# Altium PCB Time4CM4_Modular.PcbDoc (part 1 of 2) (continued)
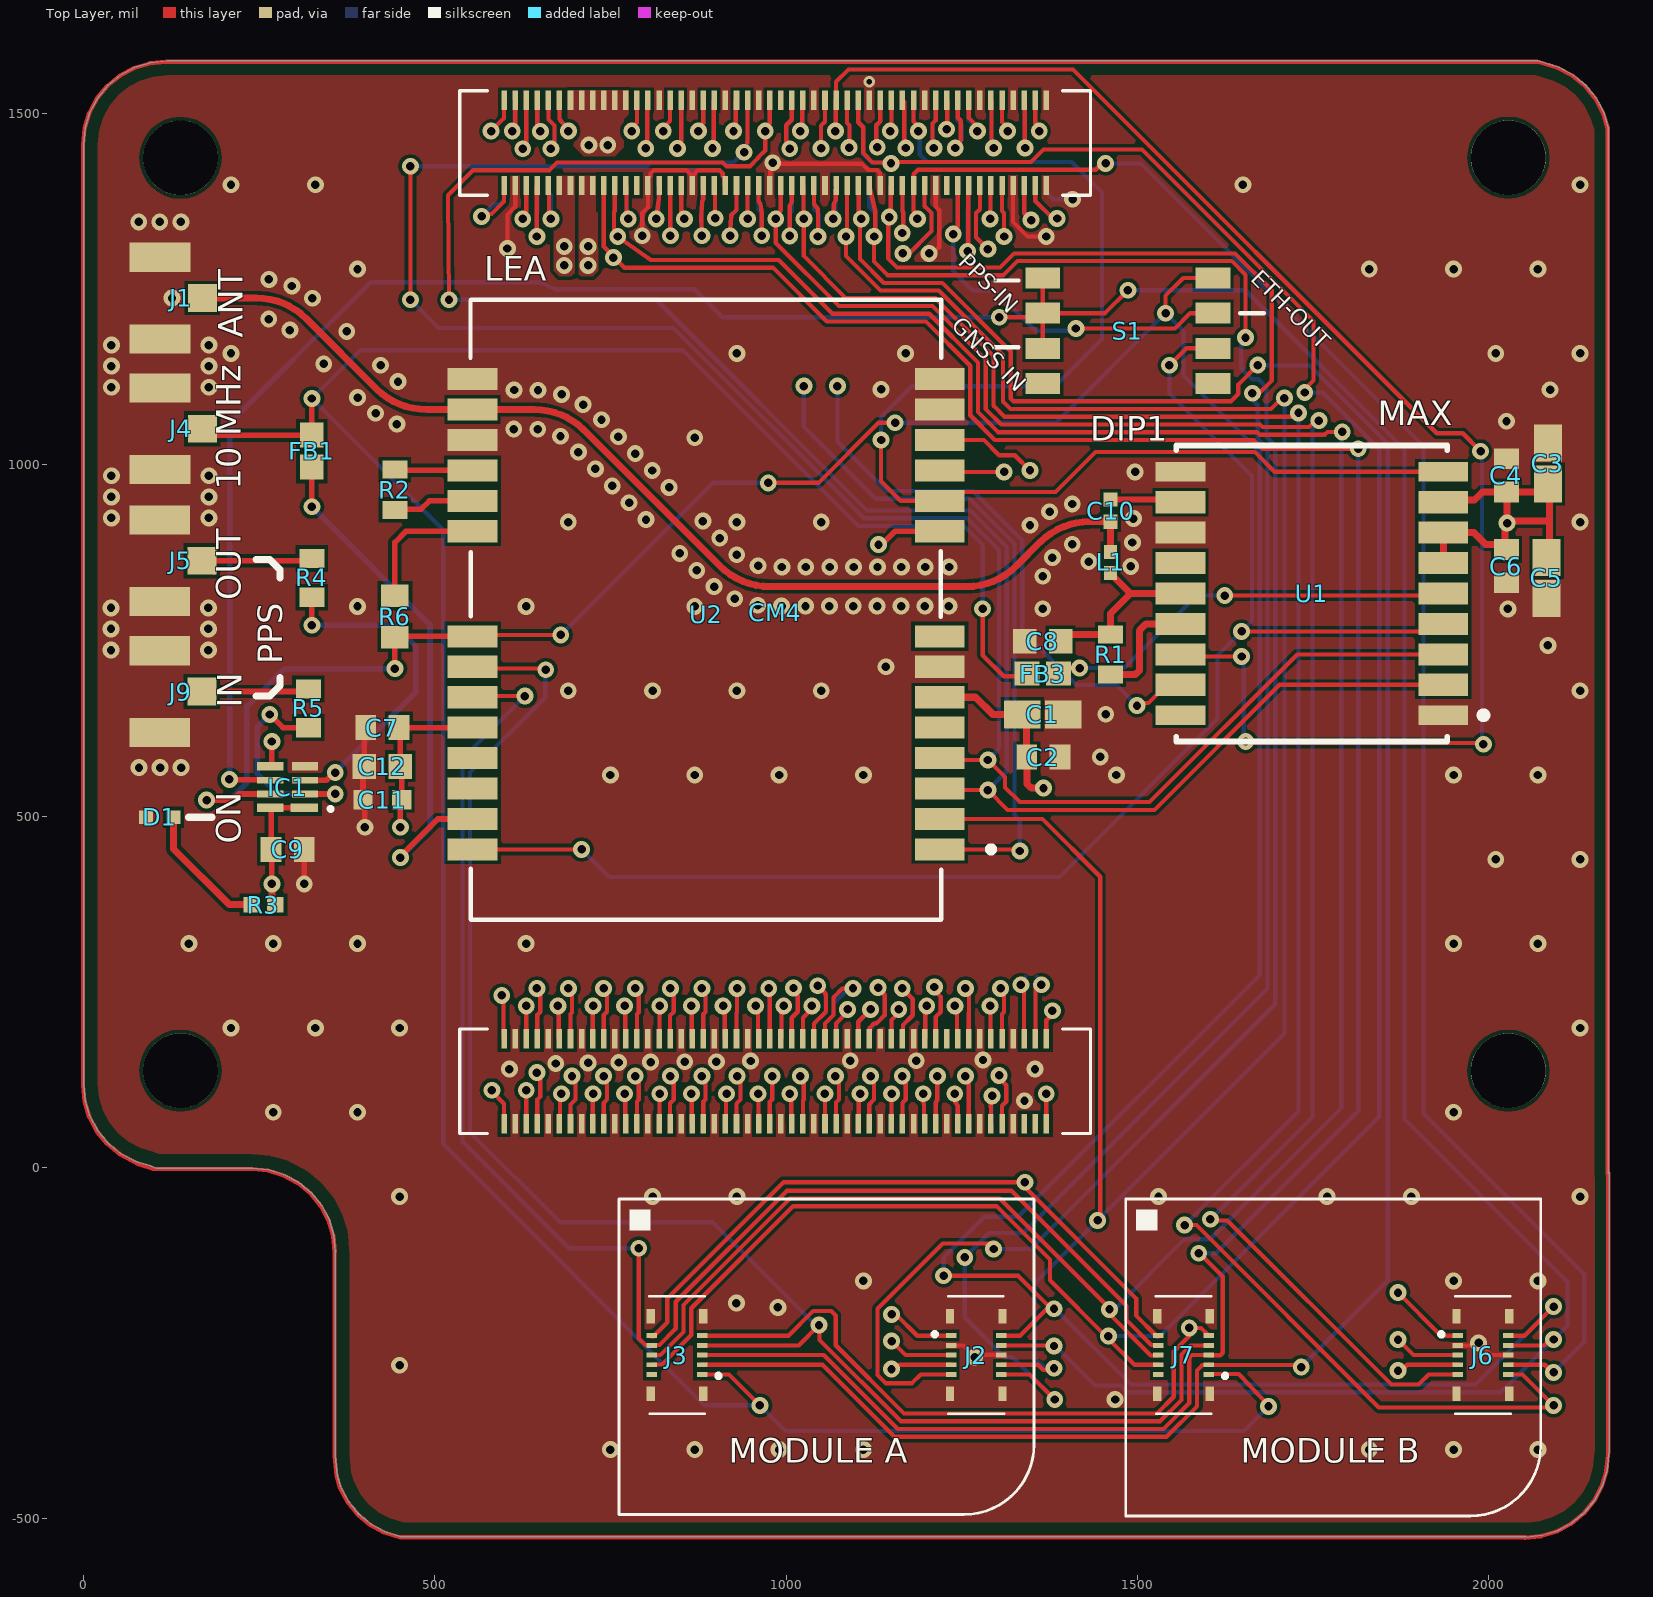
[diagram p0: Top Layer view]
## Components (designator, comment, footprint, x,y, rotation, side; value= is the part's Value field where it differs from the comment)
C1 "10uF" FP-C1608-080-0_1-IPC_A 1365,645 r0 top
C2 "100nF" FP-C0603C-CF-MFG 1366,584 r0 top value="0.10 μF"
C3 "10uF" FP-C1608-080-0_1-IPC_A 2084,1002 r90 top
C4 "100nF" FP-C0603C-CF-MFG 2025,985 r90 top value="0.10 μF"
C5 "10uF" FP-C1608-080-0_1-IPC_A 2082,839 r270 top
C6 "100nF" FP-C0603C-CF-MFG 2025,856 r270 top value="0.10 μF"
C7 "100nF" FP-C0603C-CF-MFG 425.2,625.98 r180 top value="0.10 μF"
C8 "10nF" CAPC1608X90X35LL15T15 1365,749 r0 top
C9 "100nF" FP-C0603C-CF-MFG 290.35,452.76 r0 top value="0.10 μF"
C10 "47pF" FP-C0402-BB-MFG 1461.44,935.04 r270 top value="47 pF"
C11 "10uF" FP-C1608-080-0_1-MFG 425.2,523.62 r0 top
C12 "10nF" CAPC1608X90X35LL15T15 425.2,570.86 r0 top
CM1 "Raspberry Pi Compute Module 4" CM4-F40C-100DS-0.4v_1.5mm_0mm#1 1082.68,790.35 r90 bottom locked
CM4 "Raspberry Pi Compute Module 4" CM4-F40C-100DS-0.4v_1.5mm_0mm#2 1082.68,790.55 r90 top locked
D1 "QBLP595-IB" FP-QBLP595-IB-MFG 108.27,498.5 r0 top
FB1 "BLM18HG102SH1D" FP-BLM18-0_15-t0_8-IPC_C 324.8,1019.68 r270 top
FB3 "BLM18HG102SH1D" FP-BLM18-0_15-t0_8-IPC_C 1365,703 r0 top
IC1 "74LVC2G08GT,115" 74AVC9112GTX 290.35,541.34 r90 top
J1 "U.FL-R-SMT-1(10)" FP-U_FL-R-SMT-1_10-MFG 108.84,1237.45 r270 top
J2 "BM23FR0.6-10DS-0.35V(895)" BM23FR0810DS035V895 1270.38,-266.94 r270 top
J3 "BM23FR0.6-10DS-0.35V(895)" BM23FR0810DS035V895 844.39,-266.94 r90 top
J4 "U.FL-R-SMT-1(10)" FP-U_FL-R-SMT-1_10-MFG 108.84,1051.43 r270 top
J5 "U.FL-R-SMT-1(10)" FP-U_FL-R-SMT-1_10-MFG 108.27,863.44 r270 top
J6 "BM23FR0.6-10DS-0.35V(895)" BM23FR0810DS035V895 1991.41,-266.94 r270 top
J7 "BM23FR0.6-10DS-0.35V(895)" BM23FR0810DS035V895 1565.43,-266.94 r90 top
J9 "U.FL-R-SMT-1(10)" FP-U_FL-R-SMT-1_10-MFG 108.27,677.41 r270 top
L1 "27nH" FP-LQG15HH_02-IPC_C 1461.44,861.09 r90 top
R1 "DNP" FP-ERJ3EK-MFG 1461.44,730.1 r270 top value=10Ω
R2 "10R" FP-ERJ3EK-MFG 442.91,964.57 r270 top value=10Ω
R3 "10R" RESC1005X40X25NL05T10 255.91,374.02 r180 top
R4 "49.9R" RESC1608X55X25NL10T15 324.8,839.21 r270 top
R5 "49.9R" RESC1608X55X25NL10T15 319.88,653.54 r270 top
R6 "0R" RESC1608X55X25ML10T15 442.91,784.26 r90 top
S1 "DHN-04-V-T_R" DHN04VTR 1486.22,1190.94 r90 top
U1 "MAX-M" FP-MAX-M8W-0-MFG 1748.07,816.93 r180 top
U2 "LEA-M8" LEA 885.83,787.4 r0 top locked

## Footprints (in the part's own frame and the unit in brackets; to place one, negate y for a bottom-side part, rotate by r counter-clockwise, add the part's x,y. Pads: shape width x height; smd on the part's side, far side on the other; paste and mask are expansions set on the pad)
74AVC9112GTX [mm]
  rect 0.3x1 smd: 1(-0.75,-0.6)
  rect 0.25x0.95 smd: 2(-0.25,-0.625) 3(0.25,-0.625) 6(0.25,0.625) 7(-0.25,0.625)
  rect 0.3x0.95 smd: 4(0.75,-0.625) 5(0.75,0.625) 8(-0.75,0.625)
  silkscreen extent -0.8,-1.57 -0.77,-1.54, body extent -0.97,-0.59 0.98,0.41, height 0.48
BM23FR0810DS035V895 [mm]
  rect 0.18x0.38 smd: 1(-0.7,-0.91) 2(-0.7,0.91) 3(-0.35,-0.91) 4(-0.35,0.91) 5(0,-0.91) 6(0,0.91) 7(0.35,-0.91) 8(0.35,0.91) 9(0.7,-0.91) 10(0.7,0.91)
  rect 0.52x0.3 smd: MP1(-1.405,-0.95) MP2(1.405,-0.95) MP3(1.405,0.95) MP4(-1.405,0.95)
  silkscreen extent -2.12,-1.55 2.12,1, body extent -2.12,-0.99 2.13,0.99, height 0.79
CAPC1608X90X35LL15T15 [mm] "Chip Capacitor, 2-Leads, Body 1.60x0.81mm, IPC High Density"
  rect 0.85x0.9 smd: 1(-0.65,0) 2(0.65,0)
  body extent -0.88,-0.48 0.87,0.48, height 0.9
CM4-F40C-100DS-0.4v_1.5mm_0mm#1 [mm] "DF40C-100DS-0.4v by Amornthep Phunsin"
  rect 0.7x0.2 smd: 1(18.5,7.3) 2(15.42,7.3) 3(18.5,6.9) 4(15.42,6.9) 5(18.5,6.5) 6(15.42,6.5) 7(18.5,6.1) 8(15.42,6.1) 9(18.5,5.7) 10(15.42,5.7) 11(18.5,5.3) 12(15.42,5.3) 13(18.5,4.9) 14(15.42,4.9) 15(18.5,4.5) 16(15.42,4.5) 17(18.5,4.1) 18(15.42,4.1) 19(18.5,3.7) 20(15.42,3.7) 21(18.5,3.3) 22(15.42,3.3) 23(18.5,2.9) 24(15.42,2.9) 25(18.5,2.5) 26(15.42,2.5) 27(18.5,2.1) 28(15.42,2.1) 29(18.5,1.7) 30(15.42,1.7) 31(18.5,1.3) 32(15.42,1.3) 33(18.5,0.9) 34(15.42,0.9) 35(18.5,0.5) 36(15.42,0.5) 37(18.5,0.1) 38(15.42,0.1) 39(18.5,-0.3) 40(15.42,-0.3) 41(18.5,-0.7) 42(15.42,-0.7) 43(18.5,-1.1) 44(15.42,-1.1) 45(18.5,-1.5) 46(15.42,-1.5) 47(18.5,-1.9) 48(15.42,-1.9) 49(18.5,-2.3) 50(15.42,-2.3) 51(18.5,-2.7) 52(15.42,-2.7) 53(18.5,-3.1) 54(15.42,-3.1) 55(18.5,-3.5) 56(15.42,-3.5) 57(18.5,-3.9) 58(15.42,-3.9) 59(18.5,-4.3) 60(15.42,-4.3) 61(18.5,-4.7) 62(15.42,-4.7) 63(18.5,-5.1) 64(15.42,-5.1) 65(18.5,-5.5) 66(15.42,-5.5) 67(18.5,-5.9) 68(15.42,-5.9) 69(18.5,-6.3) 70(15.42,-6.3) 71(18.5,-6.7) 72(15.42,-6.7) 73(18.5,-7.1) 74(15.42,-7.1) 75(18.5,-7.5) 76(15.42,-7.5) 77(18.5,-7.9) 78(15.42,-7.9) 79(18.5,-8.3) 80(15.42,-8.3) 81(18.5,-8.7) 82(15.42,-8.7) 83(18.5,-9.1) 84(15.42,-9.1) 85(18.5,-9.5) 86(15.42,-9.5) 87(18.5,-9.9) 88(15.42,-9.9) 89(18.5,-10.3) 90(15.42,-10.3) 91(18.5,-10.7) 92(15.42,-10.7) 93(18.5,-11.1) 94(15.42,-11.1) 95(18.5,-11.5) 96(15.42,-11.5) 97(18.5,-11.9) 98(15.42,-11.9) 99(18.5,-12.3) 100(15.42,-12.3) 101(-15.42,7.3) 102(-18.5,7.3) 103(-15.42,6.9) 104(-18.5,6.9) 105(-15.42,6.5) 106(-18.5,6.5) 107(-15.42,6.1) 108(-18.5,6.1) 109(-15.42,5.7) 110(-18.5,5.7) 111(-15.42,5.3) 112(-18.5,5.3) 113(-15.42,4.9) 114(-18.5,4.9) 115(-15.42,4.5) 116(-18.5,4.5) 117(-15.42,4.1) 118(-18.5,4.1) 119(-15.42,3.7) 120(-18.5,3.7) 121(-15.42,3.3) 122(-18.5,3.3) 123(-15.42,2.9) 124(-18.5,2.9) 125(-15.42,2.5) 126(-18.5,2.5) 127(-15.42,2.1) 128(-18.5,2.1) 129(-15.42,1.7) 130(-18.5,1.7) 131(-15.42,1.3) 132(-18.5,1.3) 133(-15.42,0.9) 134(-18.5,0.9) 135(-15.42,0.5) 136(-18.5,0.5) 137(-15.42,0.1) 138(-18.5,0.1) 139(-15.42,-0.3) 140(-18.5,-0.3) 141(-15.42,-0.7) 142(-18.5,-0.7) 143(-15.42,-1.1) 144(-18.5,-1.1) 145(-15.42,-1.5) 146(-18.5,-1.5) 147(-15.42,-1.9) 148(-18.5,-1.9) 149(-15.42,-2.3) 150(-18.5,-2.3) 151(-15.42,-2.7) 152(-18.5,-2.7) 153(-15.42,-3.1) 154(-18.5,-3.1) 155(-15.42,-3.5) 156(-18.5,-3.5) 157(-15.42,-3.9) 158(-18.5,-3.9) 159(-15.42,-4.3) 160(-18.5,-4.3) 161(-15.42,-4.7) 162(-18.5,-4.7) 163(-15.42,-5.1) 164(-18.5,-5.1) 165(-15.42,-5.5) 166(-18.5,-5.5) 167(-15.42,-5.9) 168(-18.5,-5.9) 169(-15.42,-6.3) 170(-18.5,-6.3) 171(-15.42,-6.7) 172(-18.5,-6.7) 173(-15.42,-7.1) 174(-18.5,-7.1) 175(-15.42,-7.5) 176(-18.5,-7.5) 177(-15.42,-7.9) 178(-18.5,-7.9) 179(-15.42,-8.3) 180(-18.5,-8.3) 181(-15.42,-8.7) 182(-18.5,-8.7) 183(-15.42,-9.1) 184(-18.5,-9.1) 185(-15.42,-9.5) 186(-18.5,-9.5) 187(-15.42,-9.9) 188(-18.5,-9.9) 189(-15.42,-10.3) 190(-18.5,-10.3) 191(-15.42,-10.7) 192(-18.5,-10.7) 193(-15.42,-11.1) 194(-18.5,-11.1) 195(-15.42,-11.5) 196(-18.5,-11.5) 197(-15.42,-11.9) 198(-18.5,-11.9) 199(-15.42,-12.3) 200(-18.5,-12.3)
  silkscreen extent -18.85,-24.86 18.85,27.5
CM4-F40C-100DS-0.4v_1.5mm_0mm#2 [mm] "DF40C-100DS-0.4v by Amornthep Phunsin"
  rect 0.7x0.2 smd: 1(18.5,-7.3) 2(15.42,-7.3) 3(18.5,-6.9) 4(15.42,-6.9) 5(18.5,-6.5) 6(15.42,-6.5) 7(18.5,-6.1) 8(15.42,-6.1) 9(18.5,-5.7) 10(15.42,-5.7) 11(18.5,-5.3) 12(15.42,-5.3) 13(18.5,-4.9) 14(15.42,-4.9) 15(18.5,-4.5) 16(15.42,-4.5) 17(18.5,-4.1) 18(15.42,-4.1) 19(18.5,-3.7) 20(15.42,-3.7) 21(18.5,-3.3) 22(15.42,-3.3) 23(18.5,-2.9) 24(15.42,-2.9) 25(18.5,-2.5) 26(15.42,-2.5) 27(18.5,-2.1) 28(15.42,-2.1) 29(18.5,-1.7) 30(15.42,-1.7) 31(18.5,-1.3) 32(15.42,-1.3) 33(18.5,-0.9) 34(15.42,-0.9) 35(18.5,-0.5) 36(15.42,-0.5) 37(18.5,-0.1) 38(15.42,-0.1) 39(18.5,0.3) 40(15.42,0.3) 41(18.5,0.7) 42(15.42,0.7) 43(18.5,1.1) 44(15.42,1.1) 45(18.5,1.5) 46(15.42,1.5) 47(18.5,1.9) 48(15.42,1.9) 49(18.5,2.3) 50(15.42,2.3) 51(18.5,2.7) 52(15.42,2.7) 53(18.5,3.1) 54(15.42,3.1) 55(18.5,3.5) 56(15.42,3.5) 57(18.5,3.9) 58(15.42,3.9) 59(18.5,4.3) 60(15.42,4.3) 61(18.5,4.7) 62(15.42,4.7) 63(18.5,5.1) 64(15.42,5.1) 65(18.5,5.5) 66(15.42,5.5) 67(18.5,5.9) 68(15.42,5.9) 69(18.5,6.3) 70(15.42,6.3) 71(18.5,6.7) 72(15.42,6.7) 73(18.5,7.1) 74(15.42,7.1) 75(18.5,7.5) 76(15.42,7.5) 77(18.5,7.9) 78(15.42,7.9) 79(18.5,8.3) 80(15.42,8.3) 81(18.5,8.7) 82(15.42,8.7) 83(18.5,9.1) 84(15.42,9.1) 85(18.5,9.5) 86(15.42,9.5) 87(18.5,9.9) 88(15.42,9.9) 89(18.5,10.3) 90(15.42,10.3) 91(18.5,10.7) 92(15.42,10.7) 93(18.5,11.1) 94(15.42,11.1) 95(18.5,11.5) 96(15.42,11.5) 97(18.5,11.9) 98(15.42,11.9) 99(18.5,12.3) 100(15.42,12.3) 101(-15.42,-7.3) 102(-18.5,-7.3) 103(-15.42,-6.9) 104(-18.5,-6.9) 105(-15.42,-6.5) 106(-18.5,-6.5) 107(-15.42,-6.1) 108(-18.5,-6.1) 109(-15.42,-5.7) 110(-18.5,-5.7) 111(-15.42,-5.3) 112(-18.5,-5.3) 113(-15.42,-4.9) 114(-18.5,-4.9) 115(-15.42,-4.5) 116(-18.5,-4.5) 117(-15.42,-4.1) 118(-18.5,-4.1) 119(-15.42,-3.7) 120(-18.5,-3.7) 121(-15.42,-3.3) 122(-18.5,-3.3) 123(-15.42,-2.9) 124(-18.5,-2.9) 125(-15.42,-2.5) 126(-18.5,-2.5) 127(-15.42,-2.1) 128(-18.5,-2.1) 129(-15.42,-1.7) 130(-18.5,-1.7) 131(-15.42,-1.3) 132(-18.5,-1.3) 133(-15.42,-0.9) 134(-18.5,-0.9) 135(-15.42,-0.5) 136(-18.5,-0.5) 137(-15.42,-0.1) 138(-18.5,-0.1) 139(-15.42,0.3) 140(-18.5,0.3) 141(-15.42,0.7) 142(-18.5,0.7) 143(-15.42,1.1) 144(-18.5,1.1) 145(-15.42,1.5) 146(-18.5,1.5) 147(-15.42,1.9) 148(-18.5,1.9) 149(-15.42,2.3) 150(-18.5,2.3) 151(-15.42,2.7) 152(-18.5,2.7) 153(-15.42,3.1) 154(-18.5,3.1) 155(-15.42,3.5) 156(-18.5,3.5) 157(-15.42,3.9) 158(-18.5,3.9) 159(-15.42,4.3) 160(-18.5,4.3) 161(-15.42,4.7) 162(-18.5,4.7) 163(-15.42,5.1) 164(-18.5,5.1) 165(-15.42,5.5) 166(-18.5,5.5) 167(-15.42,5.9) 168(-18.5,5.9) 169(-15.42,6.3) 170(-18.5,6.3) 171(-15.42,6.7) 172(-18.5,6.7) 173(-15.42,7.1) 174(-18.5,7.1) 175(-15.42,7.5) 176(-18.5,7.5) 177(-15.42,7.9) 178(-18.5,7.9) 179(-15.42,8.3) 180(-18.5,8.3) 181(-15.42,8.7) 182(-18.5,8.7) 183(-15.42,9.1) 184(-18.5,9.1) 185(-15.42,9.5) 186(-18.5,9.5) 187(-15.42,9.9) 188(-18.5,9.9) 189(-15.42,10.3) 190(-18.5,10.3) 191(-15.42,10.7) 192(-18.5,10.7) 193(-15.42,11.1) 194(-18.5,11.1) 195(-15.42,11.5) 196(-18.5,11.5) 197(-15.42,11.9) 198(-18.5,11.9) 199(-15.42,12.3) 200(-18.5,12.3)
  silkscreen extent -18.85,-8.9 18.85,13.9, body extent -18.67,-8.8 18.66,13.8, height 2.87
DHN04VTR [mm]
  rect 0.76x1.25 smd: A1(-1.905,-3.075) A2(-0.635,-3.075) A3(0.635,-3.075) A4(1.905,-3.075) B1(-1.905,3.075) B2(-0.635,3.075) B3(0.635,3.075) B4(1.905,3.075)
FP-BLM18-0_15-t0_8-IPC_C [mil]
  rect 35.67x33.79 smd paste+0 mask+0: 1(-22.68,0) 2(22.68,0)
  body extent -44,-23 44,23, height 10
FP-C0402-BB-MFG [mm]
  rect 0.52x0.52 smd paste+0 mask+0: 1(-0.4,0) 2(0.4,0)
  body extent -0.8,-0.4 0.8,0.4, height 0.25
FP-C0603C-CF-MFG [mm]
  rect 0.75x0.9 smd paste+0 mask+0: 1(-0.6,0) 2(0.6,0)
  body extent -1.2,-0.6 1.2,0.6, height 0.25
FP-C1608-080-0_1-IPC_A [mil]
  rect 52.4x39.85 smd paste+0 mask+0: 1(-29.15,0) 2(29.15,0)
  body extent -75,-40 75,40, height 10
FP-C1608-080-0_1-MFG [mm]
  rect 0.7x0.7 smd paste+0 mask+0: 1(-0.7,0) 2(0.7,0)
  body extent -1.15,-0.55 1.15,0.55, height 0.25
FP-ERJ3EK-MFG [mm]
  rect 0.65x0.9 smd paste+0 mask+0: 1(-0.725,0) 2(0.725,0)
  body extent -1.15,-0.58 1.15,0.58, height 0.25
FP-LQG15HH_02-IPC_C [mil]
  rect 20.29x18.6 smd paste+0 mask+0: 1(-14.9,0) 2(14.9,0)
  body extent -29,-15 29,15, height 10
FP-MAX-M8W-0-MFG [mm]
  rect 1.8x0.7 smd paste-1000 mask+0: 1(-4.75,4.4) 9(-4.75,-4.4) 10(4.75,-4.4) 18(4.75,4.4)
  rect 1.8x0.8 smd paste-1000 mask+0: 2(-4.75,3.3) 3(-4.75,2.2) 4(-4.75,1.1) 5(-4.75,0) 6(-4.75,-1.1) 7(-4.75,-2.2) 8(-4.75,-3.3) 11(4.75,-3.3) 12(4.75,-2.2) 13(4.75,-1.1) 14(4.75,0) 15(4.75,1.1) 16(4.75,2.2) 17(4.75,3.3)
  silkscreen extent -6.33,-5.35 4.9,5.35, body extent -5.75,-5.45 5.75,5.45, height 0.25
FP-QBLP595-IB-MFG [mm]
  rect 0.5x0.5 smd paste+0 mask+0: 1(-0.5,0) 2(0.5,0)
  body extent -0.85,-0.4 0.85,0.4, height 0.25
FP-U_FL-R-SMT-1_10-MFG [mm]
  rect 1x1.05 smd paste-1000 mask+0: 1(0,1.525)
  rect 1.05x2.2 smd paste-1000 mask+0: 2(-1.475,0) 3(1.475,0)
  body extent -2.1,-1.48 2.1,2.15, height 0.25
LEA [mm] "u-blox LEA GNSS module"
  rect 1.8x0.8 smd paste-4: 1(8.445,-8.5)
  rect 1.8x0.8 smd paste-0.4 mask+0.102: 2(8.445,-7.4) 3(8.445,-6.3) 4(8.445,-5.2) 5(8.445,-4.1) 6(8.445,-3) 7(8.445,-1.9) 8(8.445,-0.8) 9(8.445,3) 10(8.445,4.1) 11(8.445,5.2) 12(8.445,6.3) 13(8.445,7.4) 14(8.445,8.5) 16(-8.446,7.4) 17(-8.446,6.3) 18(-8.446,5.2) 19(-8.446,4.1) 20(-8.446,3) 21(-8.446,-0.8) 22(-8.446,-1.9) 23(-8.446,-3) 24(-8.446,-4.1) 25(-8.446,-5.2) 26(-8.446,-6.3) 27(-8.446,-7.4) 28(-8.446,-8.5)
  rect 1.8x0.8 smd paste-0.4: 15(-8.446,8.5)
  silkscreen extent -8.51,-11.04 10.33,11.36, body extent -8.5,-11.01 8.5,11.39, height 2.35
RESC1005X40X25NL05T10 [mm] "Chip Resistor, 2-Leads, Body 1.00x0.50mm, IPC Medium Density"
  rect 0.6x0.55 smd: 1(-0.425,0) 2(0.425,0)
  body extent -0.53,-0.27 0.53,0.28, height 0.4
RESC1608X55X25ML10T15 [mm] "Chip Resistor, 2-Leads, Body 1.60x0.80mm, IPC Low Density"
  rect 0.8x1 smd: 1(-0.75,0) 2(0.75,0)
  body extent -0.85,-0.45 0.85,0.45, height 0.55
RESC1608X55X25NL10T15 [mm] "Chip Resistor, 2-Leads, Body 1.70x0.90mm, IPC Medium Density"
  rect 0.7x0.9 smd: 1(-0.7,0) 2(0.7,0)
  body extent -0.85,-0.45 0.85,0.45, height 0.55

## Part data
C1 C3 C5 C11: library part CMP-2000-04979-3, "Multilayer Ceramic Capacitors 10μF ±10% 10V X5R SMD 0603", Case Code (Imperial)=0603, Case Code (Metric)=1608, Dielectric=X5R, Dielectric Material=Ceramic, Max Operating Temperature=85°C, Min Operating Temperature=-55°C, Package Quantity=1, Tolerance=10%, Voltage=10V, Capacitance=10uF, Case/Package=0603, Construction=Flat, Depth=0.8mm, Height=0.8mm, Lead Free="Lead Free", Length=1.6mm, Mount="Surface Mount", Number of Pins=2, Packaging="Tape and Reel", Radiation Hardening=No, REACH SVHC="No SVHC", Resistor Type=Ceramic, RoHS Compliant=Yes, Series=C, Termination=SMD/SMT, Thickness=0.035inch, Voltage Rating=10V, Voltage Rating (DC)=10V, Weight=7.1E-05oz, Width=0.8mm
C2 C4 C6 C7 C9: library part CMP-2006-03068-2, "CAP CER 0.1UF 50V 20% X7R 0603", Capacitance="0.10 μF", Manufacturer=KEMET, Manufacturer Part Number=C0603C104M5RACTU, Package=C0603C-CF, Temperature="-55°C to +125°C", Temperature Characteristic=X7R, Temperature Coefficient=30ppm/°C, Temperature Range High=+125°C, Temperature Range Low=-55°C, Tolerance=0.2, Voltage Rating="50 V", Automotive=Yes, Automotive Grade="Grade 1", Category=Cap, ComponentLink2Description=Datasheet, ComponentLink2URL=https://api.kemet.com/component-edge/download/datasheet/C0603C100J5GACAUTO.pdf, Device Class L1="Passive Components", Device Class L2=Capacitors, Device Class L3="Ceramic Capacitors", Digikey Description="CAP CER 0.1UF 50V 20% X7R 0603", Height=0.87mm, Lead Free=Yes, Material=Ceramic, Mouser Description="Multilayer Ceramic Capacitors MLCC - SMD/SMT 50volts 0.1uF X7R 20%", Octopart=https://octopart.com/c0603c104m5ractu-kemet-11855687, RoHS=TRUE
C8: library part CMP-2006-02059-1, "Multilayer Ceramic Capacitor, 0.01 uF, 16 V, ± 10%, X7R, 0603 [1608 Metric]", Case Code (Imperial)=0603, Case Code (Metric)=1608, Dielectric=X7R, Manufacturer="AVX Interconnect / Elco", Manufacturer Part Number=0603YC103KAT2A, Max Operating Temperature=125°C, Min Operating Temperature=-55°C, Package Quantity=1, Tolerance=10%, Voltage=16V, Capacitance=10nF, Case/Package=0603, Category="Ceramic Capacitors", ComponentLink1Description=https://datasheet.ciiva.com/150/cx7r-150743.pdf?src-supplier=Digi-Key, ComponentLink1URL=https://datasheet.ciiva.com/150/cx7r-150743.pdf?src-supplier=Digi-Key, ComponentLink2Description=https://datasheet.ciiva.com/150/cx7r-150744.pdf?src-supplier=Digi-Key, ComponentLink2URL=https://datasheet.ciiva.com/150/cx7r-150744.pdf?src-supplier=Digi-Key, ComponentLink3Description=https://datasheet.ciiva.com/150/cx7r-150745.pdf?src-supplier=Digi-Key, ComponentLink3URL=https://datasheet.ciiva.com/150/cx7r-150745.pdf?src-supplier=Digi-Key, ComponentLink4Description=https://datasheet.ciiva.com/5412/cx7r-218113-5412060.pdf?src-supplier=Mouser, ComponentLink4URL=https://datasheet.ciiva.com/5412/cx7r-218113-5412060.pdf?src-supplier=Mouser, ComponentLink5Description=https://datasheet.ciiva.com/16375/cx7r-16375919.pdf?src-supplier=Future+Electronics, ComponentLink5URL=https://datasheet.ciiva.com/16375/cx7r-16375919.pdf?src-supplier=Future+Electronics, ComponentLink6Description=https://datasheet.ciiva.com/7855/1679506-7855103.pdf?src-supplier=Element14, ComponentLink6URL=https://datasheet.ciiva.com/7855/1679506-7855103.pdf?src-supplier=Element14, ComponentLink7Description=https://datasheet.ciiva.com/22683/1679506-22683367.pdf?src-supplier=Element14, ComponentLink7URL=https://datasheet.ciiva.com/22683/1679506-22683367.pdf?src-supplier=Element14, ComponentLink8Description=https://datasheet.ciiva.com/22699/1679506-22699610.pdf?src-supplier=Element14, ComponentLink8URL=https://datasheet.ciiva.com/22699/1679506-22699610.pdf?src-supplier=Element14, Construction=Flat, Depth=0.81mm, Dissipation Factor=3.5%, Lead Free="Lead Free", Length=1.6mm, Mount="Surface Mount", Packaging="Tape and Reel", Part Number=0603YC103KAT2A, Pricing 1="4000=0.02200, 8000=0.02060, 12000=0.01980, 20000=0.01970, 24000=0.01700, 100000=0.01460 (USD)", Radiation Hardening=No, REACH SVHC="No SVHC", RoHS=Yes, RoHS Compliant=Yes, Series=-, Stock 1=910956, Supplier 1="Arrow Electronics", Supplier Part Number 1=0603YC103KAT2A, Termination=SMD/SMT, Thickness=0.035inch, Voltage Rating=16V, Voltage Rating (DC)=16V, Width=0.032inch
C10: library part CMP-2008-03364-2, "CAP CER 47PF 25V 5% NP0 0402", Capacitance="47 pF", Manufacturer=Kemet, Manufacturer Part Number=C0402C470J3GACTU, Package=C0402-BB, Temperature="-55°C to +125°C", Temperature Characteristic=C0G, Temperature Coefficient=15%, Temperature Range High=+125°C, Temperature Range Low=-55°C, Tolerance=0.05, Voltage Rating="25 V", Automotive=No, Category=Cap, ComponentLink2Description=Datasheet, ComponentLink2URL=https://content.kemet.com/datasheets/KEM_C1002_X7R_SMD.pdf, Device Class L1="Passive Components", Device Class L2=Capacitors, Device Class L3="Ceramic Capacitors", Digikey Description="CAP CER 47PF 25V 5% NP0 0402", Height=0.55mm, Ipc Land Pattern Name=CAPC10050X50, Lead Free=Yes, Material=Ceramic, Mouser Description="Multilayer Ceramic Capacitors MLCC - SMD/SMT 25volts 47pF C0G 5%", Octopart=https://octopart.com/c0402c470j3gactu-kemet-9139794, RoHS=TRUE
C12: library part CMP-2006-02059-1, Manufacturer="AVX Interconnect / Elco", Part Number=0603YC103KAT2A
CM1 CM4: library part CM4, "Raspberry Pi Compute Module 4 by Amornthep Phunsin"
D1: library part CMP-113271-000002-1, "LED BLUE CLEAR 0402 SMD", Case Code (Imperial)=0402, Case Code (Metric)=1005, Color=Blue, Forward Voltage=3.1V, Lens Color=Colorless, Test Current=20mA, Case/Package=0402, Dominant Wavelength=465nm, Height=0.6mm, Length=1mm, Lens Size=0.5mm, Lens Style=Flat, Lens Transparency=Clear, Luminous Intensity=85mcd, Mount="Surface Mount", Packaging="Tape and Reel", Viewing Angle=140°, Width=0.5mm
FB1 FB3: library part CMP-06046-001255-1, "Chip Ferrite Bead, 0603, 1000Ω @ 100MHz, 1.6Ω, 25%, 100mA", Case Code (Imperial)=0603, Case Code (Metric)=1608, DC Resistance (DCR)=1.6R, Max Current Rating=100mA, Max Operating Temperature=125°C, Min Operating Temperature=-55°C, Package Quantity=4000, Ratings=AEC-Q200, Test Frequency=100MHz, Tolerance=25%, Case/Package=0603, Contact Plating=Tin, Height=0.037inch, Impedance=1kR, Length=1.6mm, Max DC Current=100mA, Mount="Surface Mount", Number Of Circuits=1, Number of Lines=1, Packaging="Tape and Reel", Shielding=Unshielded, Termination=SMD/SMT, Width=0.8mm
IC1: "Integrated Circuit", Manufacturer_Name=Nexperia, Mouser Part Number=771-LVC2G08GT115, Arrow Part Number=74LVC2G08GT,115, Arrow Price/Stock=https://www.arrow.com/en/products/74lvc2g08gt115/nexperia?region=europe, Datasheet Link=https://assets.nexperia.com/documents/data-sheet/74LVC2G08.pdf, Height=0.5mm, Manufacturer_Part_Number=74LVC2G08GT,115, Mouser Price/Stock=https://www.mouser.co.uk/ProductDetail/Nexperia/74LVC2G08GT115?qs=me8TqzrmIYX6ucYoPcZnUg%3D%3D
J1 J4 J5 J9: library part CMP-2000-05152-3, "CONN U.FL RCPT STR 50 OHM SMD", Dielectric Material=Polymer, Frequency=6GHz, Housing Color=Beige, Insulation Resistance=500MR, Max Operating Temperature=90°C, Min Operating Temperature=-40°C, Package Quantity=2500, Body Material=Bronze, Body Plating=Silver, Connector Type=Coaxial, Contact Material=Brass, Contact Plating=Gold, Depth=3.1mm, Fastening Type=Snap, Gender=Male, Impedance=50R, Lead Free="Lead Free", Length=3mm, Max Frequency=6GHz, Mount="Surface Mount", Orientation=Straight, Packaging="Cut Tape", Radiation Hardening=No, REACH SVHC="No SVHC", Series=U.FL, Termination=Solder, Weight=0.001764oz, Wire/Cable Type=Coaxial
J2 J3 J6 J7: library part BM23FR0.8-10DS-0.35V_895_, "Connector", Manufacturer_Name=Hirose, Manufacturer_Part_Number=BM23FR0.8-10DS-0.35V(895), Mouser Part Number=798-3FR0810DS035V895, Datasheet Link=https://componentsearchengine.com/Datasheets/1/BM23FR0.8-10DS-0.35V(895).pdf, Height=0.9mm, Mouser Price/Stock=https://www.mouser.co.uk/ProductDetail/Hirose-Connector/BM23FR08-10DS-035V895/?qs=YCa%2FAAYMW01IXWgIGURT8A%3D%3D
L1: library part CMP-2000-06578-2, "Multilayer type RF Inductor 27nH ±5% 0.46Ω 350mA 0402", Case Code (Imperial)=0402, Case Code (Metric)=1005, Current Rating=300mA, DC Resistance (DCR)=460mR, Inductance Tolerance=5%, Max Operating Temperature=125°C, Min Operating Temperature=-55°C, Package Quantity=10000, Self Resonant Frequency=1.7GHz, Test Frequency=100MHz, Case/Package=0402, Core Material=Air, DC Current=300mA, Depth=0.55mm, Height=0.5mm, Height - Seated (Max)=0.022inch, Inductance=27nH, Lead Free="Lead Free", Length=1mm, Max DC Current=300mA, Military Standard=Not, Mount="Surface Mount", Packaging="Tape and Reel", Q Factor=8, REACH SVHC="No SVHC", Shielding=Unshielded, Termination=SMD/SMT, Tolerance=5%, Width=0.02inch
R1 R2: library part CMP-2000-00195-2, "RES SMD 10 OHM 1% 1/10W 0603", Manufacturer=Panasonic, Manufacturer Part Number=ERJ-3EKF10R0V, Package=ERJ3EK, Power=100mW, Power Rating=0.1W, Resistance=10Ω, Temperature="-55°C to +155°C", Temperature Coefficient=100ppm/°C, Temperature Range High=+155°C, Temperature Range Low=-55°C, Tolerance=1%, Voltage Rating=75V, Automotive=Yes, Automotive Grade="Grade 0", Category=Res, ComponentLink2Description=Datasheet, ComponentLink2URL=https://b2b-api.panasonic.eu/file_stream/pids/fileversion/1263, Composition="Thick Film", Device Class L1="Passive Components", Device Class L2=Resistors, Device Class L3="Chip SMD Resistors", Digikey Description="RES SMD 10 OHM 1% 1/10W 0603", Footprint Url=https://industrial.panasonic.com/cdbs/www-data/pdf/RDA0000/DMA0000COL17.pdf, Height=0.55mm, Ipc Land Pattern Name=RESC16080X45, Lead Free=Yes, Octopart=https://octopart.com/erj-3ekf10r0v-panasonic-55403649, RoHS=TRUE, Series=ERJ
R3: library part CMP-2002-03046-1, Manufacturer="Vishay Dale", Part Number=CRCW040210R0FKEDHP
R4 R5: library part CMP-1659-00036-1, "General Purpose Chip Resistor, 49.9 Ohm, +/- 1%, -55 to 155 degC, 0603 (1608 Metric), RoHS, Tape and Reel", Case\Package=LQFP, Max Operating Temperature="85 degC", Max Supply Voltage="3.63 V", Min Operating Temperature="-40 degC", Min Supply Voltage="2.97 V", Package Quantity=250, ComponentLink1Description="Manufacturer URL", ComponentLink1URL=http://www.yageo.com/, ComponentLink2Description=Datasheet, ComponentLink2URL=https://datasheet.ciiva.com/11808/0900766b80f96399-11808223.pdf, DatasheetVersion="Rev. 4, 04/2009", Interface=SPI, PackageDescription="2-Pin Surface Mount Device, Body 1.6 x 0.8 mm", PackageReference=0603, Packaging=Tray, Pins=48, RoHSCompliant=true
R6: library part CMP-2100-03667-1, "Chip Resistor, 0 Ohm, +/- 5%, 0.1 W, -55 to 155 degC, 0603 (1608 Metric), RoHS, Tape and Reel", Case Code (Imperial)=0603, Case Code (Metric)=1608, Manufacturer=Yageo, Max Operating Temperature=155degC, Min Operating Temperature=-55degC, Package Description="2-Pin Surface Mount Device, Body 1.6 x 0.8 mm", Package Quantity=5000, Power Rating=100mW, Resistance=0mOhm, Temperature Coefficient=200ppm/degreesC, Tolerance=5%, Voltage Rating=50V, Case/Package=0603, Composition=ThickFilm, Contact Plating=Tin, Datasheet URL=http://www.yageo.com/NewPortal/yageodocoutput?fileName=/pdf/R-Chip/PYu-RC_Group_51_RoHS_L_5.pdf, Datasheet Version="Rev. 5, 10/2016", Depth=0.8mm, Height=0.45mm, Lead Free=LeadFree, Length=1.6mm, Manufacturer URL=http://www.yageo.com/, Military Standard=Not, Number of Pins=2, Package Reference=0603, Packaging=TapeandReel, Radiation Hardening=No, REACH SVHC=NoSVHC, RoHSCompliant=true, Termination=SMD/SMT, Voltage Rating (DC)=50V, Width=0.8mm
S1: "Switch", Manufacturer_Name=Diptronics, Manufacturer_Part_Number=DHN-04-V-T/R, Mouser Part Number=113-DHN04VTR, Datasheet Link=https://datasheet.lcsc.com/lcsc/1809172046_Diptronics-DHN-04-V-T-R_C224996.pdf, Height=1.65mm, Mouser Price/Stock=https://www.mouser.co.uk/ProductDetail/Diptronics/DHN-04-V-T-R?qs=MLItCLRbWszy0w3dgyiNuw%3D%3D
U1: library part CMP-207130-000023-1, "RF RCVR GNSS/GPS 1.575GHZ 18LCC", Case/Package=SMD/SMT, Current - Receiving=23mA, Frequency=1.575GHz, Max Operating Temperature=85°C, Min Operating Temperature=-40°C, Interface=I2C, Packaging="Tape and Reel", RoHS Compliant=Yes, Sensitivity=-167dBm
U2: library part LEA, "u-blox LEA GNSS module", Manufacturer=u-blox, Part Description="u-blox LEA-M8 GNSS module"

## Free pads (board coordinates)
  round 106.3 hole 106.3: 1(137.8,137.79) 1(137.8,1437.01) 1(2027.56,137.79) 1(2027.56,1437.15)
  rect 11.81x27.56 smd far side: 2(580.5,62.01) 2(580.5,183.27) 2(580.5,1397.44) 2(580.5,1518.7) 2(1388,62) 2(1388,183.27) 2(1388,1397.44) 2(1388,1518.7)

## Via types
v1: diameter 24, hole 12, Top Layer to Bottom Layer, tented both sides, 419 vias
v2: diameter 16, hole 8, Top Layer to Bottom Layer, tented both sides, 1 vias

## Nets (pads, with @x,y where several pads share a name; then routed paths per layer and width w, separated by ;. In a path a pad name is that pad's centre, name@x,y a point inside that pad or via, vN(x,y) a via of type N, cw(c..) or ccw(c..) an arc to the next point about the centre after c; other vN are vias at no path point)
1V8: CM1.88 CM1.90 CM4.88 CM4.90 J2.5 J6.5 | length 3035.1
  Top Layer w6: v1(1150,-247) 1169.95,-266.95 J2.5@1234.55,-266.95 ; v1(1870.61,-245) 1892.56,-266.95 J6.5@1955.58,-266.95
  Int2 (PWR) w20: v1@683.23,1283.24 550,1150 550,70.82 872.23,-251.41 1152.43,-251.41 1269.24,-368.22 1747.39,-368.22 1870.45,-245.16 v1@1870.45,-244.84 ; v1(684,1284) v1(684,1311)
3V3: C1.1 C2.1 C3.1 C4.1 C5.1 C6.1 C7.1 C9.1 C11.2 C12.2 CM1.84 CM1.86 CM4.84 CM4.86 IC1.1 IC1.5 IC1.8 J2.1 J6.1 R3.1 U1.6 U1.7 U1.8 U2.6 U2.11 U2.24 | length 1583.5
  Top Layer w6: v1(1150,-209) 1156,-209 1186.39,-239.39 J2.1@1234.55,-239.39 ; U2.11@1218.33,992.13 1220.45,990 v1(1310,990) ; v1(1870.61,-178) 1932,-239.39 J6.1@1955.58,-239.39
  Top Layer w8: C9.1@265.75,451.77 C9.1@266.73,452.76 ; IC1.5@265.75,570.87 266.02,570.87 267.93,572.77 v1(267.93,606.3) ; v1(267.93,403.54) 267.93,451.56 C9.1@266.73,452.76 ; IC1.1@313.98,511.81 IC1.8@265.75,511.81 266.73,510.83 C9.1@266.73,452.76 ; C7.1@448.82,625.98 450.79,624.02 C12.2@450.79,570.86 452.76,568.89 C11.2@452.76,523.62 450.79,521.65 v1(450.79,484.25) ; C7.1@452.76,625.98 U2.24@553.33,625.98
  Top Layer w10: R3.1@267.72,374.02 267.82,374.12 267.82,403.44 v1(267.93,403.54) ; U2.6@1218.33,669.29 1269.56,669.29 1293.85,645 C1.1@1335.85,645 1342,638.85 1342,584.38 1342.85,583.53 1342.85,545.86 1348.71,540 v1(1366.1,540) ; U1.6@1935.08,860.24 U1.7@1935.08,903.54 1978.46,903.54 1995,887 C6.1@2023,887 ; U1.8@1935.08,946.85 1938.21,949.98 1979.65,949.98 1991.05,961.38 C4.1@2025,961.38 ; C6.1@2025,879.62 2023,881.62 C6.1@2023,887 ; C5.1@2082,868.16 2094,880.16 2086,888.16 2086,920 ; C5.1@2084,885.16 C5.1@2084,886.62 ; C6.1@2023,887 2023,914.35 v1(2025.83,917.17) ; C4.1@2025,961.38 2072.53,961.38 C3.1@2084,972.84 2086,970.85 2086,920 ; C4.1@2025,961.38 2025.83,960.55 v1(2025.83,917.17) ; v1(2025.83,917.17) 2028.65,920 2086,920
  other v1: 718,1284 718,1311
5V: CM1.77 CM1.79 CM1.81 CM1.83 CM1.85 CM1.87 CM4.77 CM4.79 CM4.81 CM4.83 CM4.85 CM4.87 J2.7 J6.7 | length 3381.2
  Top Layer w6: v1(1149.75,-286.91) 1154.62,-286.91 1160.81,-280.72 J2.7@1234.55,-280.72 ; v1(1870.61,-289) 1875.48,-289 1883.76,-280.72 J6.7@1955.58,-280.72
  Int2 (PWR) w20: 493,329 493,466.82 ; 493,353 493,92.46 872.37,-286.91 v1(1149.75,-286.91) ; 493,440 493.09,440.09 493.09,495.16 493,495.25 493,1318.41 555.2,1380.61 644.61,1380.61 v1@718.23,1454.24 ; v1(719,1455) v1(746,1455) ; v1@1151.06,-288.22 1256.06,-393.22 1766.39,-393.22 v1(1870.61,-289)
10MHz: FB1.1 FB3.1 J3.1 J4.1 J7.1 | length 4240.7
  Top Layer w6: J4.1@168.88,1051.43 J4.1@169.87,1051.43 ; J3.1@880.22,-294.5 918.55,-294.5 v1(962.55,-338.5) ; v1(1279.53,795.28) 1279.53,729.07 1309.48,699.12 FB3.1@1338.2,699.12 ; J7.1@1601.25,-294.5 1601.76,-294 1644.1,-294 1645.98,-295.88 1686.27,-338.5 v1(1686.27,-340)
  Top Layer w8: J4.1@168.88,1051.43 ccw(c190.76,1073.31) 190.76,1042.37 FB1.1@324.8,1042.37 v1(324.8,1094.49)
  Bottom Layer w6: v1(1279.53,795.28) 1279.53,886.42 1252.9,913.04 1102.96,913.04 853,1163 393.31,1163 v1(324.8,1094.49) 511.81,907.48 511.81,33.22 883.53,-338.5 v1(962.55,-338.5) 999.05,-375 1651.27,-375 v1(1686.27,-340)
ANAIP_0: CM1.96 CM4.96 | length 87.3
  Top Layer w6: v1@629.92,1359.79 CM4.96@629.92,1397.64
  Bottom Layer w6: v1(625,1350) 625,1354.87 629.92,1359.79 CM1.96@629.92,1397.44
ANAIP_1: CM1.94 CM4.94 | length 145.6
  Top Layer w6: v1(645,1325) 645,1396.97 CM4.94@645.67,1397.64
  Bottom Layer w6: v1(645,1325) 645,1359.65 645.67,1360.32 CM1.94@645.67,1397.44
BT_DIS: CM1.91 CM4.91 | length 137.1
  Top Layer w6: CM4.91@661.42,1518.9 661.42,1491.58 670,1483 670,1459.75 665.05,1454.79 v1(665.05,1449.92)
  Bottom Layer w6: CM1.91@661.42,1518.7 661.42,1491.58 670,1483 v1@670,1459.74
CM0_C_N: CM1.140 CM4.140 | length 131.4
  Top Layer w6: CM4.140@1070.87,62.2 1070.87,92.58 1075,96.72 v1@1075,120.13
  Bottom Layer w6: v1(1070,130) 1070,125.13 1075,120.13 1075,96.72 1070.87,92.58 CM1.140@1070.87,62.01
CM0_C_P: CM1.142 CM4.142 | length 85.9
  Top Layer w6: v1(1055,105) 1055.06,104.94 1055.06,62.26 CM4.142@1055.12,62.2
  Bottom Layer w6: v1(1055,105) 1055.06,104.94 1055.06,62.07 CM1.142@1055.12,62.01
CM0_D0_N: CM1.128 CM4.128 | length 131.8
  Top Layer w6: CM4.128@1165.35,62.2 1165.35,92.07 1170,96.72 v1@1170,120.13
  Bottom Layer w6: v1(1165,130) 1165,125.13 1170,120.13 1170,96.72 1165.35,92.07 CM1.128@1165.35,62.01
CM0_D0_P: CM1.130 CM4.130 | length 86.1
  Top Layer w6: CM4.130@1149.61,62.2 1149.8,62.4 1149.8,104.8 v1(1150,105)
  Bottom Layer w6: CM1.130@1149.61,62.01 1149.8,62.21 1149.8,104.8 v1(1150,105)
CM0_D1_N: CM1.134 CM4.134 | length 133.7
  Top Layer w6: CM4.134@1118.11,62.2 1118.11,89.83 1125,96.72 v1@1125,120.13
  Bottom Layer w6: CM1.134@1118.11,62.01 1118.11,89.83 1125,96.72 1125,120.13 1120,125.13 v1(1120,130)
CM0_D1_P: CM1.136 CM4.136 | length 88
  Top Layer w6: CM4.136@1102.36,62.2 1103.3,63.14 1103.3,103.3 v1(1105,105)
  Bottom Layer w6: CM1.136@1102.36,62.01 1103.3,62.95 1103.3,103.3 v1(1105,105)
CM1_C_N: CM1.127 CM4.127 | length 167.8
  Top Layer w6: v1(1165,255) 1180,240 1180,216.72 1166.29,203.01 1166.29,184.4 CM4.127@1165.35,183.46
  Bottom Layer w6: v1(1165,255) 1180,240 1180,216.72 1166.29,203.01 1166.29,184.21 CM1.127@1165.35,183.27
CM1_C_P: CM1.129 CM4.129 | length 91.9
  Top Layer w6: CM4.129@1149.61,183.46 1149.61,209.74 1160,220.13 v1(1160,225)
  Bottom Layer w6: CM1.129@1149.61,183.27 1149.61,209.74 1160,220.13 v1(1160,225)
CM1_D0_N: CM1.115 CM4.115 | length 135.6
  Top Layer w6: CM4.115@1259.84,183.46 1259.84,219.61 1260,219.77 v1@1260,245.13
  Bottom Layer w6: v1(1255,255) 1255,250.13 1260,245.13 1260,219.67 1259.84,219.51 CM1.115@1259.84,183.27
CM1_D0_P: CM1.117 CM4.117 | length 96.7
  Top Layer w6: v1(1240,230) 1243.16,226.84 1243.16,184.4 CM4.117@1244.09,183.46
  Bottom Layer w6: v1(1240,230) 1243.16,226.84 1243.16,184.21 CM1.117@1244.09,183.27
CM1_D1_N: CM1.121 CM4.121 | length 160.9
  Top Layer w6: v1(1210.77,256.93) 1210.77,252.06 1220,242.83 1220,221.72 1212.6,214.31 CM4.121@1212.6,183.46
  Bottom Layer w6: v1(1210.77,256.93) 1210.77,252.06 1220,242.83 1220,221.72 1212.6,214.31 CM1.121@1212.6,183.27
CM1_D1_P: CM1.123 CM4.123 | length 95.9
  Top Layer w6: CM4.123@1196.85,183.46 1197.79,184.4 1197.79,227.79 v1(1200,230)
  Bottom Layer w6: CM1.123@1196.85,183.27 1197.79,184.21 1197.79,227.79 v1(1200,230)
CM1_D2_N: CM1.133 CM4.133 | length 177.1
  Top Layer w6: CM4.133@1118.11,183.46 CM4.133@1118.11,195.84 ; 1126.14,205.09 ccw(c1127.52,199.24) 1123.29,203.51 1119.85,200.06 ; 1127.5,205.4 ccw(c1126.12,211.24) 1129.74,206.46 1140,216.71 1140,244.27 ccw(c1134,244.27) 1138.27,248.49 v1(1130.66,256.1) ; CM4.133@1118.11,195.84 cw(c1124.11,195.84) 1119.85,200.06 ; CM4.133@1118.11,195.84 cw(c1124.11,195.84) 1119.85,200.06
  Bottom Layer w6: CM1.133@1118.11,183.27 1119.05,184.21 1119.05,194.05 1121.92,196.92 1121.92,200.36 1126.56,205 1126.61,205.05 1128.33,205.05 1140,216.72 1140,232.92 1139.84,234.08 ; v1(1130.66,256.1) 1138.04,248.72 cw(c1133.78,244.5) 1139.78,244.5 1139.78,234.86 ; 1139.78,234.86 ccw(c1145.78,234.9) 1139.84,234.08 ; 1139.78,234.86 ccw(c1145.78,234.9) 1139.84,234.08
CM1_D2_P: CM1.135 CM4.135 | length 97.9
  Top Layer w6: CM4.135@1102.36,183.46 1102.36,207.36 v1(1120,225)
  Bottom Layer w6: CM1.135@1102.36,183.27 1102.36,207.36 v1(1120,225)
CM1_D3_N: CM1.139 CM4.139 | length 96.9
  Top Layer w6: CM4.139@1070.87,183.46 1070.87,205.09 1087.38,221.6 v1(1087.38,225)
  Bottom Layer w6: CM1.139@1070.87,183.27 1071.8,184.21 1071.8,206.03 1087.38,221.6 v1(1087.38,225)
CM1_D3_P: CM1.141 CM4.141 | length 192.7
  Top Layer w6: CM4.141@1055.12,183.46 1055.12,204.9 1067.38,217.16 1067.38,239.93 ; v1(1095,255) 1082.49,255 ccw(c1082.49,249) 1078.26,253.26 1069.1,244.1 ; 1067.38,239.93 cw(c1073.38,239.89) 1069.1,244.1 ; 1067.38,239.93 cw(c1073.38,239.89) 1069.1,244.1
  Bottom Layer w6: CM1.141@1055.12,183.27 1055.12,204.9 1067.38,217.16 1067.38,233.28 1085.65,251.56 1091.56,251.56 v1(1095,255)
CM_GPIOx: CM1.97 CM4.97 | length 91.1
  Top Layer w6: v1(609.92,1475) 609.92,1479.87 614.17,1484.12 CM4.97@614.17,1518.9
  Bottom Layer w6: v1(609.92,1475) 613.24,1478.32 613.24,1517.76 CM1.97@614.17,1518.7
DSI0_C_N: CM1.169 CM4.169 | length 139.9
  Top Layer w6: CM4.169@834.65,183.46 834.65,216.36 840,221.72 v1@840,245.13
  Bottom Layer w6: CM1.169@834.65,183.27 834.65,216.36 840,221.72 840,245.13 835,250.13 v1(835,255)
DSI0_C_P: CM1.171 CM4.171 | length 94.2
  Top Layer w6: CM4.171@818.9,183.46 819.45,184.02 819.45,229.45 v1(820,230)
  Bottom Layer w6: CM1.171@818.9,183.27 819.45,183.82 819.45,229.45 v1(820,230)
DSI0_D0_N: CM1.157 CM4.157 | length 144
  Top Layer w6: CM4.157@929.13,183.46 929.13,220.03 930,220.9 v1(930,255)
  Bottom Layer w6: CM1.157@929.13,183.27 929.13,219.93 930,220.8 v1(930,255)
DSI0_D0_P: CM1.159 CM4.159 | length 96.1
  Top Layer w6: v1(910,230) 912.45,227.55 912.45,184.4 CM4.159@913.39,183.46
  Bottom Layer w6: v1(910,230) 912.45,227.55 912.45,184.21 CM1.159@913.39,183.27
DSI0_D1_N: CM1.163 CM4.163 | length 138
  Top Layer w6: CM4.163@881.89,183.46 881.89,218.13 885,221.24 v1@885,245.13
  Bottom Layer w6: v1(880,255) 880,250.13 885,245.13 885,221.14 881.89,218.03 CM1.163@881.89,183.27
DSI0_D1_P: CM1.165 CM4.165 | length 94.2
  Top Layer w6: v1(865,230) 865.57,229.43 865.57,184.04 CM4.165@866.14,183.46
  Bottom Layer w6: v1(865,230) 865.57,229.43 865.57,183.84 CM1.165@866.14,183.27
DSI1_C_N: CM1.187 CM4.187 | length 137.2
  Top Layer w6: CM4.187@692.91,183.46 692.91,218.64 695,220.73 v1@695,245.13
  Bottom Layer w6: v1(690,255) 690,250.13 695,245.13 695,220.63 692.91,218.55 CM1.187@692.91,183.27
DSI1_C_P: CM1.189 CM4.189 | length 95.1
  Top Layer w6: v1(675,230) 676.23,228.77 676.23,184.4 CM4.189@677.17,183.46
  Bottom Layer w6: v1(675,230) 676.23,228.77 676.23,184.21 CM1.189@677.17,183.27
DSI1_D0_N: CM1.175 CM4.175 | length 137.6
  Top Layer w6: CM4.175@787.4,183.46 787.4,218.39 790,220.99 v1@790,245.13
  Bottom Layer w6: v1(785,255) 785,250.13 790,245.13 790,220.89 787.4,218.29 CM1.175@787.4,183.27
DSI1_D0_P: CM1.177 CM4.177 | length 94.6
  Top Layer w6: v1(770,230) 770.83,229.17 770.83,184.29 CM4.177@771.65,183.46
  Bottom Layer w6: v1(770,230) 770.83,229.17 770.83,184.1 CM1.177@771.65,183.27
DSI1_D1_N: CM1.181 CM4.181 | length 139.5
  Top Layer w6: CM4.181@740.16,183.46 740.16,216.87 745,221.72 v1@745,245.13
  Bottom Layer w6: v1(740,255) 740,250.13 745,245.13 745,221.72 740.16,216.87 CM1.181@740.16,183.27
DSI1_D1_P: CM1.183 CM4.183 | length 93.8
  Top Layer w6: CM4.183@724.41,183.46 724.7,183.76 724.7,229.71 v1(725,230)
  Bottom Layer w6: CM1.183@724.41,183.27 724.7,183.56 724.7,229.71 v1(725,230)
DSI1_D2_N: CM1.193 CM4.193 | length 139.1
  Top Layer w6: CM4.193@645.67,183.46 645.67,217.39 650,221.72 v1@650,245.13
  Bottom Layer w6: v1(645,255) 645,250.13 650,245.13 650,221.72 645.67,217.39 CM1.193@645.67,183.27
DSI1_D2_P: CM1.195 CM4.195 | length 93.3
  Top Layer w6: CM4.195@629.92,183.46 CM4.195@629.92,183.46 v1(630,230) v1(630,230)
  Bottom Layer w6: CM1.195@629.92,183.27 CM1.195@629.92,183.27 v1(630,230) v1(630,230)
DSI1_D3_N: CM1.194 CM4.194 | length 141.6
  Top Layer w6: CM4.194@645.67,62.2 645.67,96.89 650,101.22 v1@650,125.13
  Bottom Layer w6: v1(645,135) 645,130.13 650,125.13 650,101.12 645.67,96.79 CM1.194@645.67,62.01
DSI1_D3_P: CM1.196 CM4.196 | length 95.9
  Top Layer w6: CM4.196@629.92,62.2 629.96,62.24 v1(630,110) v1(630,110)
  Bottom Layer w6: CM1.196@629.92,62.01 629.96,62.05 v1(630,110) v1(630,110)
ETH_LED1: CM1.19 CM4.19 | length 83.7
  Top Layer w6: v1(1228.25,1477.67) 1229.17,1478.59 1229.17,1518.07 CM4.19@1228.35,1518.9
  Bottom Layer w6: v1(1228.25,1477.67) 1229.17,1478.59 1229.17,1517.87 CM1.19@1228.35,1518.7
ETH_LED2: CM1.17 CM4.17 | length 146.9
  Top Layer w6: v1(1240.46,1451) 1240.46,1453.74 1248.25,1461.53 1248.25,1489.9 1244.09,1494.06 CM4.17@1244.09,1518.9
  Bottom Layer w6: v1(1240.46,1451) 1240.46,1453.74 1250,1463.28 1250,1484.2 1244.09,1490.11 CM1.17@1244.09,1518.7
ETH_LED3: CM1.15 CM4.15 | length 97.7
  Top Layer w6: CM4.15@1259.84,1518.9 1259.84,1493.87 1272,1481.71 v1(1272,1475)
  Bottom Layer w6: CM1.15@1259.84,1518.7 1259.84,1490.03 1272,1477.87 v1(1272,1475)
ETH_PAIR0_N: CM1.10 CM4.10 | length 147.5
  Top Layer w6: CM4.10@1307.09,1397.64 1307.09,1361.54 1310,1358.63 v1(1310,1325)
  Bottom Layer w6: CM1.10@1307.09,1397.44 1307.09,1361.45 1310,1358.53 v1(1310,1325)
ETH_PAIR0_P: CM1.12 CM4.12 | length 96.2
  Top Layer w6: v1(1290,1350) 1290.67,1350.67 1290.67,1396.97 CM4.12@1291.34,1397.64
  Bottom Layer w6: v1(1290,1350) 1290.67,1350.67 1290.67,1396.77 CM1.12@1291.34,1397.44
ETH_PAIR1_N: CM1.6 CM4.6 | length 106.4
  Top Layer w6: CM4.6@1338.58,1397.64 1338.58,1358.26 v1(1348.42,1348.42)
  Bottom Layer w6: CM1.6@1338.58,1397.44 1338.58,1358.26 v1(1348.42,1348.42)
ETH_PAIR1_P: CM1.4 CM4.4 | length 126.8
  Top Layer w6: CM4.4@1354.33,1397.64 1354.33,1375.68 1379.36,1350.65 v1(1385.44,1350.65)
  Bottom Layer w6: CM1.4@1354.33,1397.44 1354.33,1375.48 1379.16,1350.65 v1(1385.44,1350.65)
ETH_PAIR2_N: CM1.9 CM4.9 | length 94.2
  Top Layer w6: CM4.9@1307.09,1518.9 1307.09,1487.79 1315,1479.87 v1(1315,1475)
  Bottom Layer w6: CM1.9@1307.09,1518.7 1307.09,1487.79 1315,1479.87 v1(1315,1475)
ETH_PAIR2_P: CM1.11 CM4.11 | length 138.6
  Top Layer w6: CM4.11@1291.34,1518.9 1292.27,1517.96 1292.27,1453.73 v1(1295,1451)
  Bottom Layer w6: CM1.11@1291.34,1518.7 1292.27,1517.76 1292.27,1453.73 v1(1295,1451)
ETH_PAIR3_N: CM1.5 CM4.5 | length 136.8
  Top Layer w6: CM4.5@1338.58,1518.9 1339.29,1518.19 1339.29,1451.71 v1(1340,1451)
  Bottom Layer w6: CM1.5@1338.58,1518.7 1339.29,1517.99 1339.29,1451.71 v1(1340,1451)
ETH_PAIR3_P: CM1.3 CM4.3 | length 79.4
  Top Layer w6: v1@1354.33,1485.54 CM4.3@1354.33,1518.9
  Bottom Layer w6: CM1.3@1354.33,1518.7 1354.33,1485.54 1360,1479.87 v1(1360,1475)
ETH_SYNC_IN: CM1.16 CM4.16 | length 188.7
  Top Layer w6: v1(1258,1304) 1258.92,1304.92 1258.92,1396.72 CM4.16@1259.84,1397.64
  Bottom Layer w6: v1(1258,1304) 1258,1361.84 1259.92,1363.76 1259.92,1397.36 CM1.16@1259.84,1397.44
ETH_SYNC_OUT: CM1.18 CM4.18 S1.A3 | length 611.5
  Top Layer w6: v1(1237.61,1328.39) 1237.61,1333.26 1244.09,1339.74 CM4.18@1244.09,1397.64 ; v1(1412.16,1194.11) 1553.03,1194.11 1574.86,1215.94 S1.A3@1607.28,1215.94
  Bottom Layer w6: CM1.18@1244.09,1397.44 1244.09,1334.87 v1(1237.61,1328.39) 1237.61,1275.61 1265.23,1248 1297.62,1248 1354.68,1190.94 1408.99,1190.94 v1(1412.16,1194.11)
GLOBAL_EN: CM1.99 CM4.99 | length 102.9
  Top Layer w6: v1(580,1475) 598.43,1493.43 CM4.99@598.43,1518.9
  Bottom Layer w6: v1(580,1475) 598.43,1493.43 CM1.99@598.43,1518.7